# Altium PCB PCB1.PcbDoc
Units mil, origin at the board's own origin, x right, y up, seen from the top; angles counter-clockwise.
Board outline 3870 x 2895 mil, 2 copper layers (Top Layer, Bottom Layer); 177 components, 71 nets, 443 pads, 54 vias.
Unrouted connection lines stored in the file: 19.
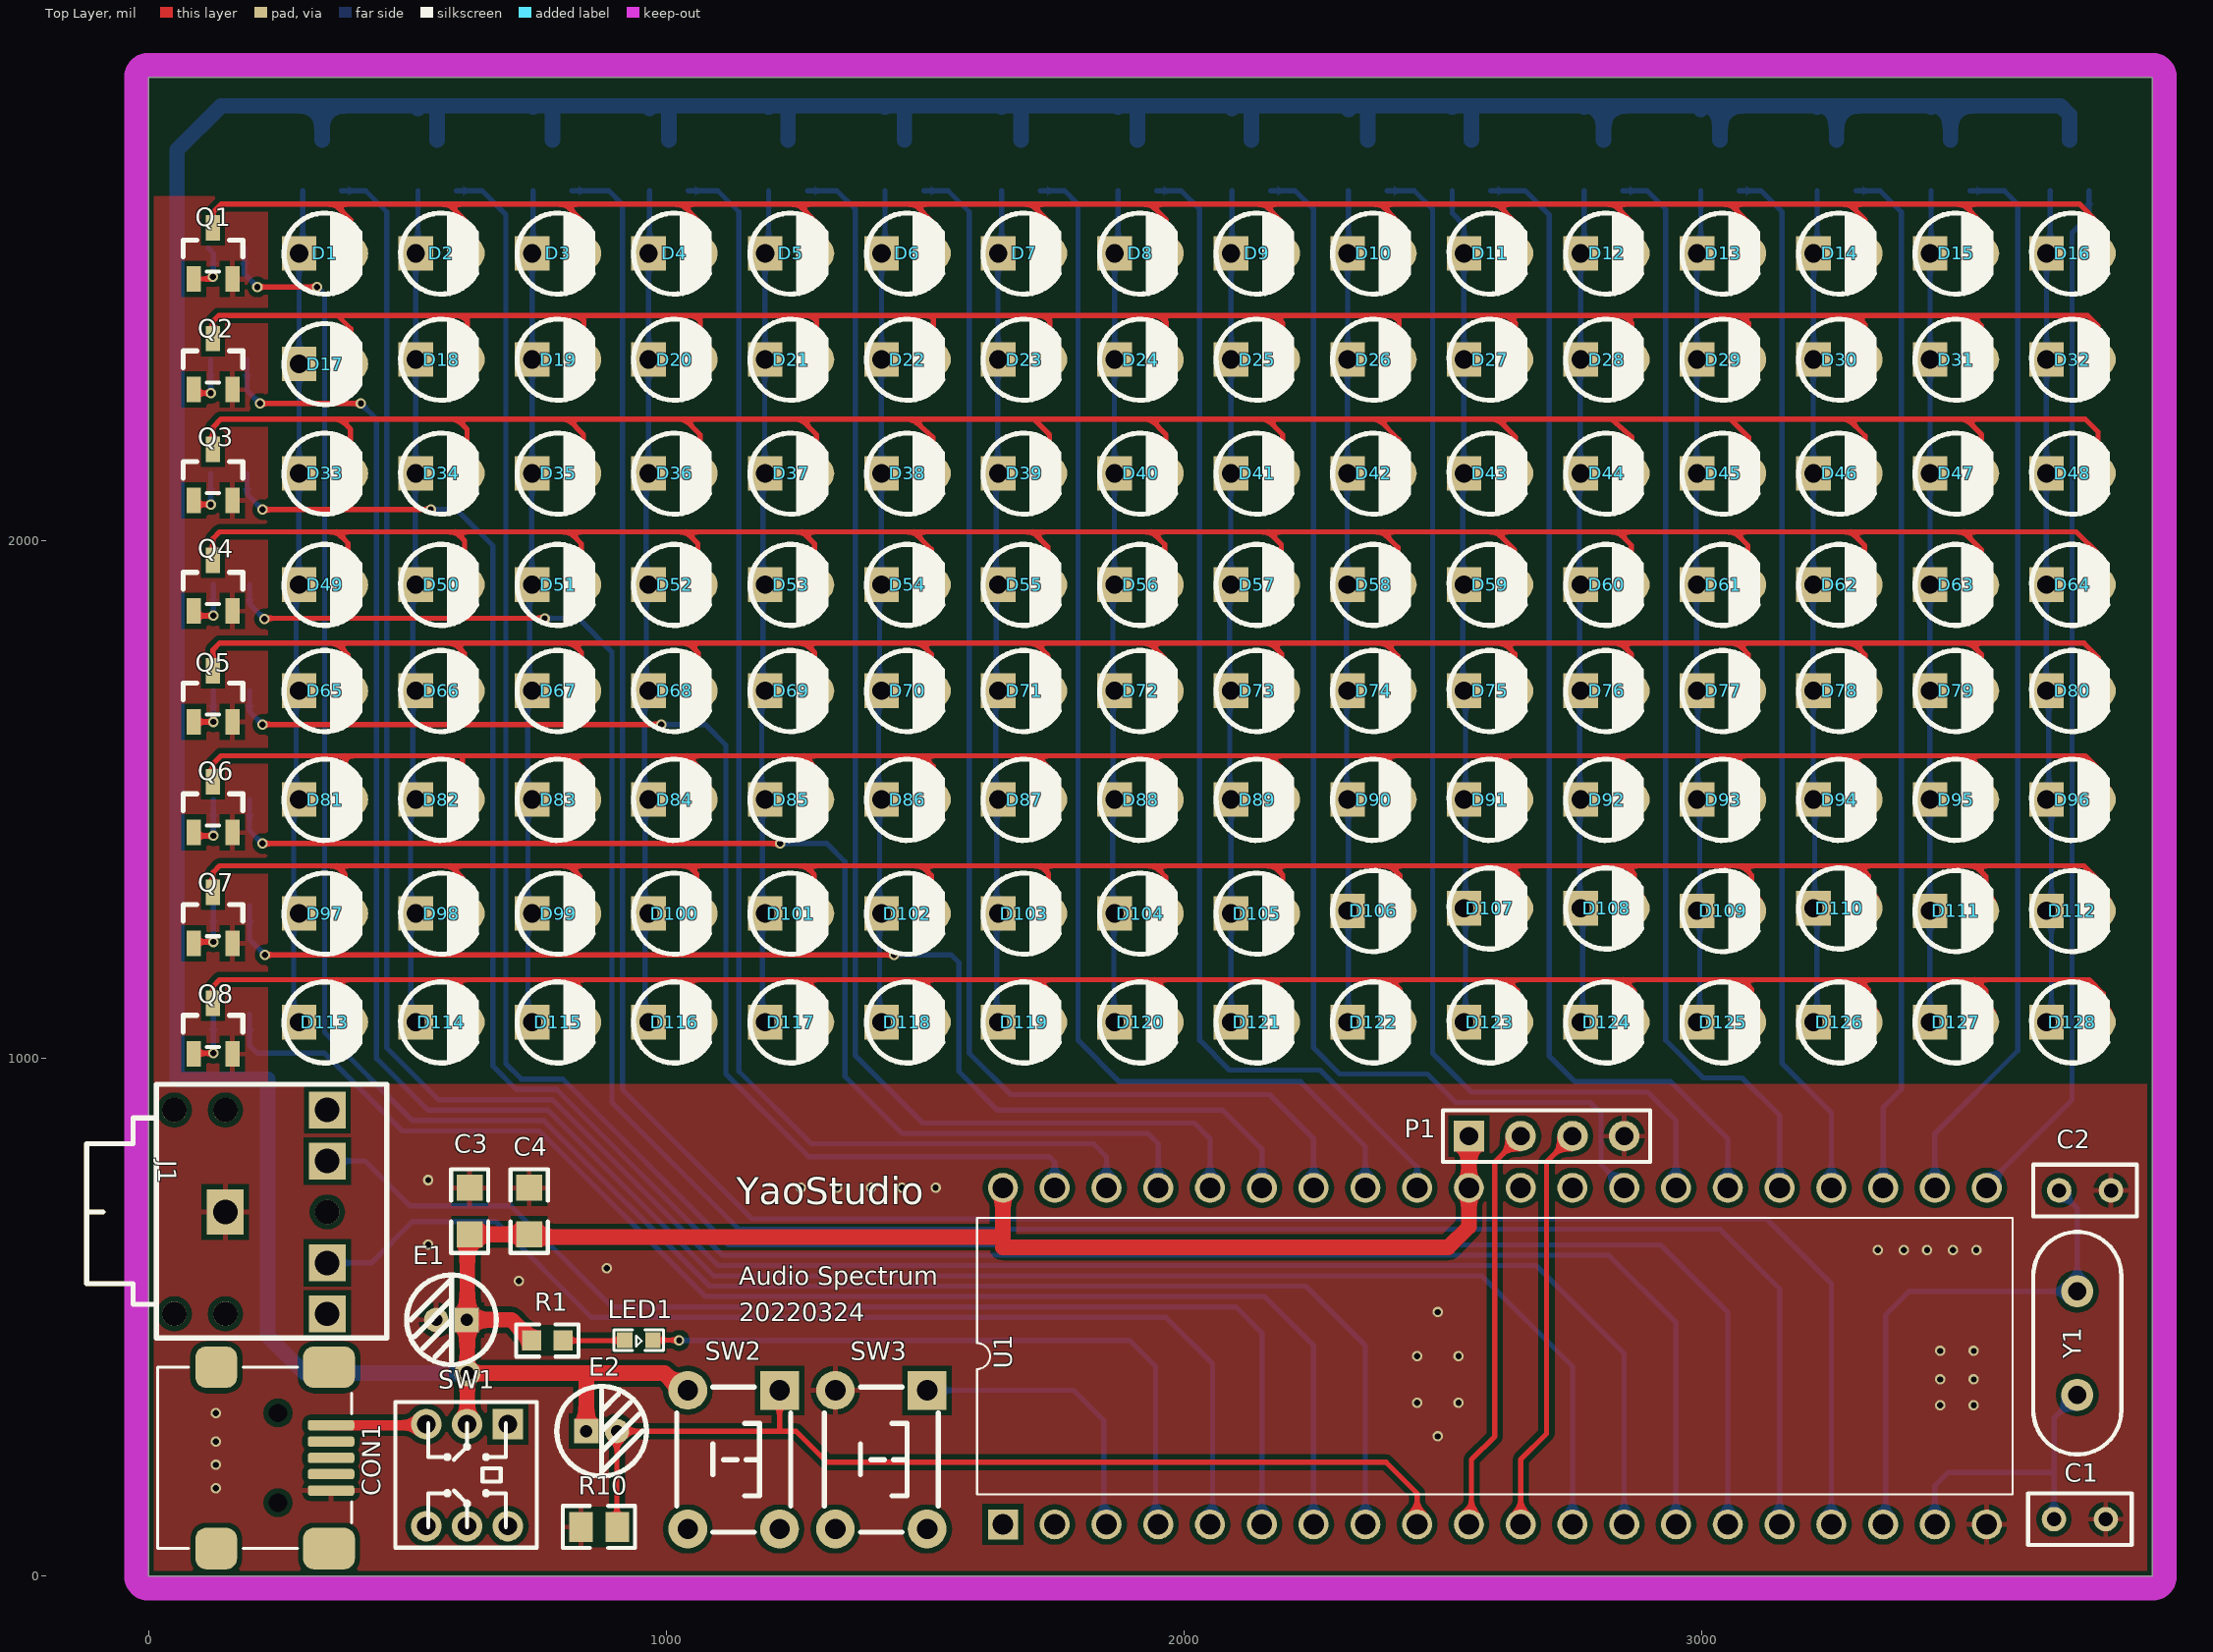
[diagram p0: Top Layer view]
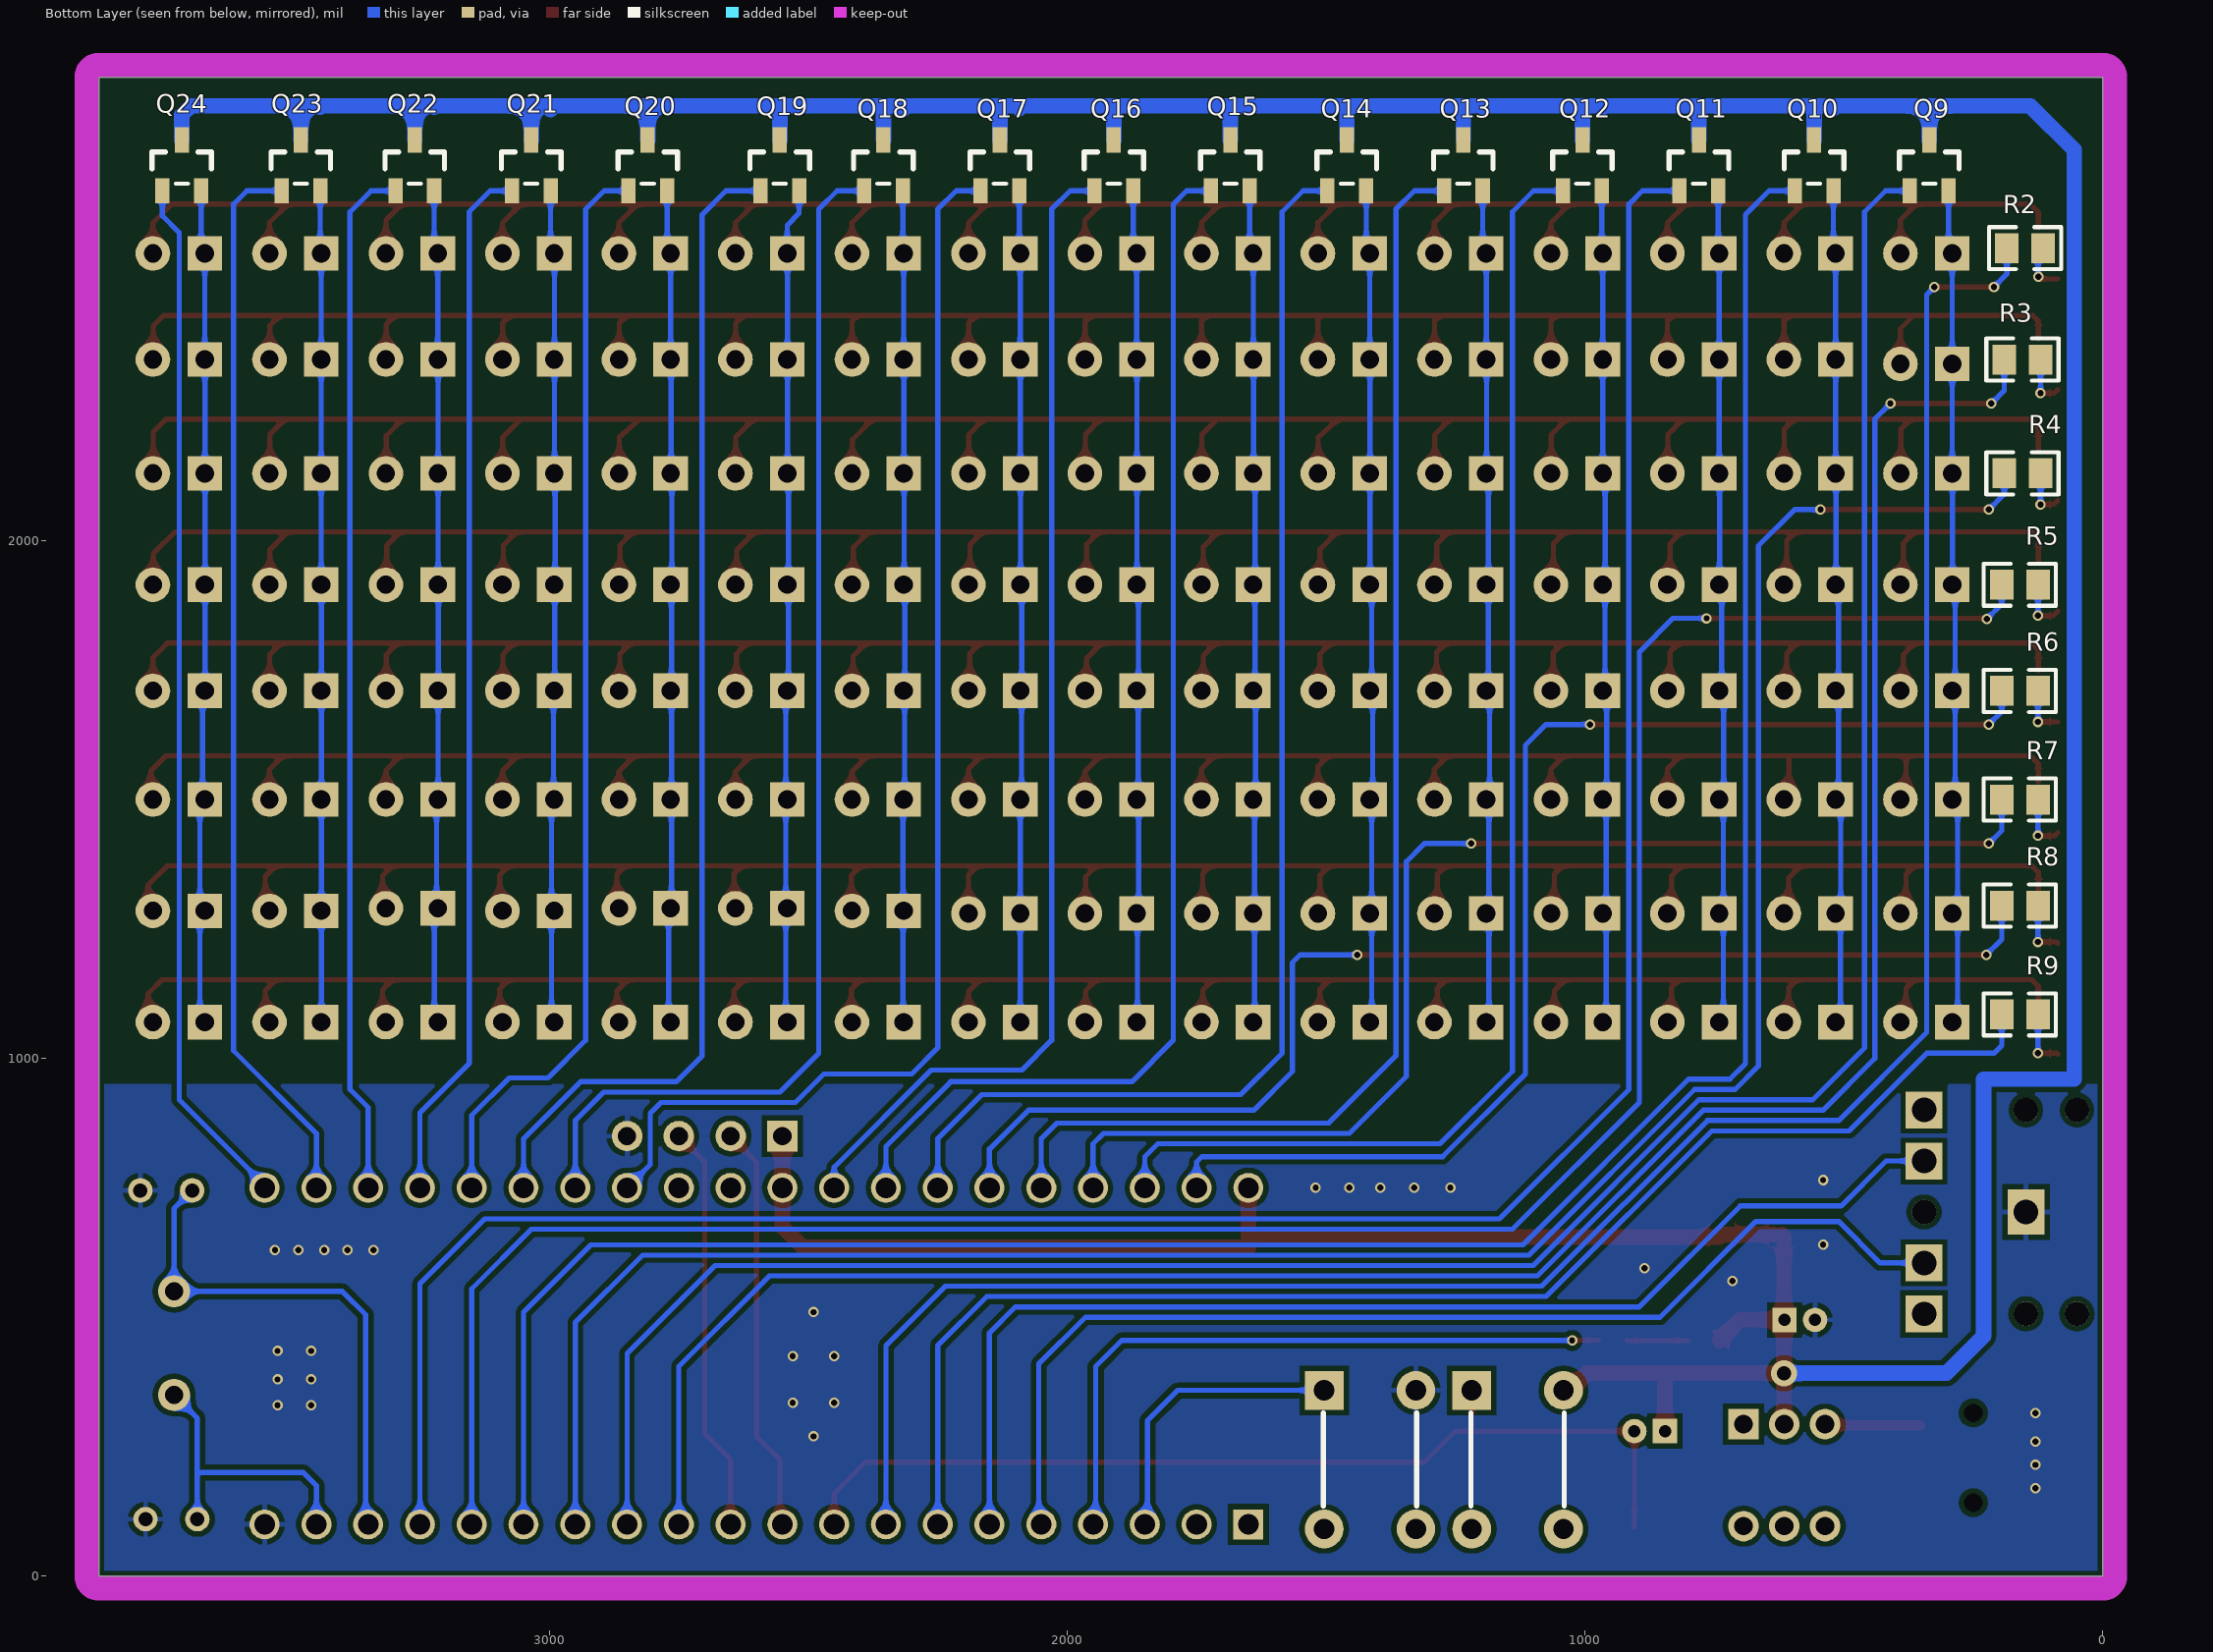
[diagram p1: Bottom Layer view, seen from below]
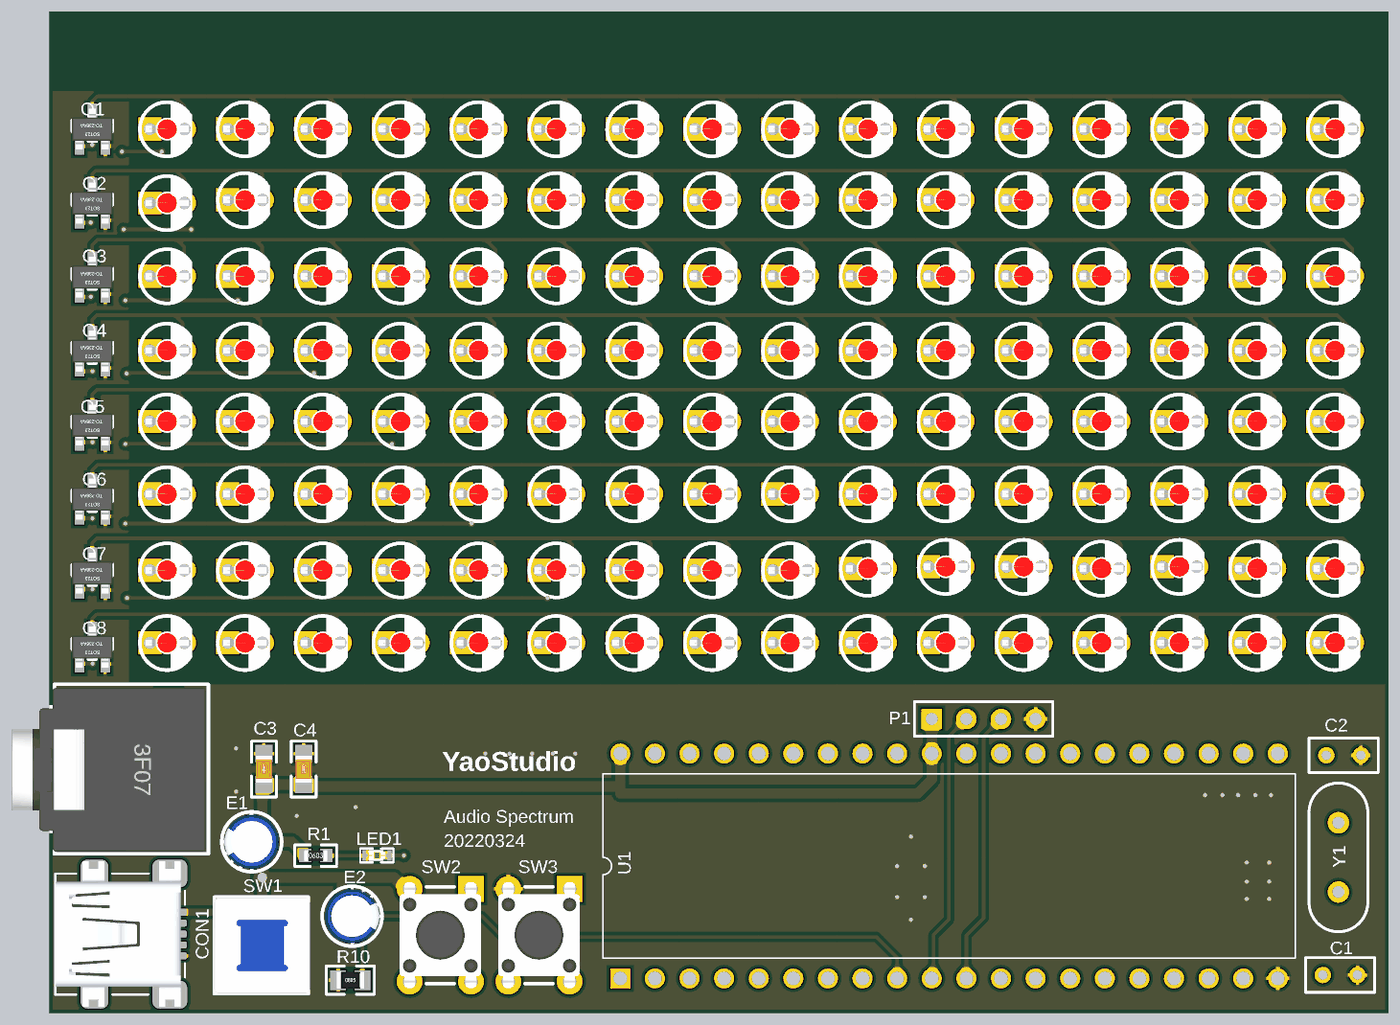
[diagram p2: 3D render of the assembled board from above, using the file's embedded part models]
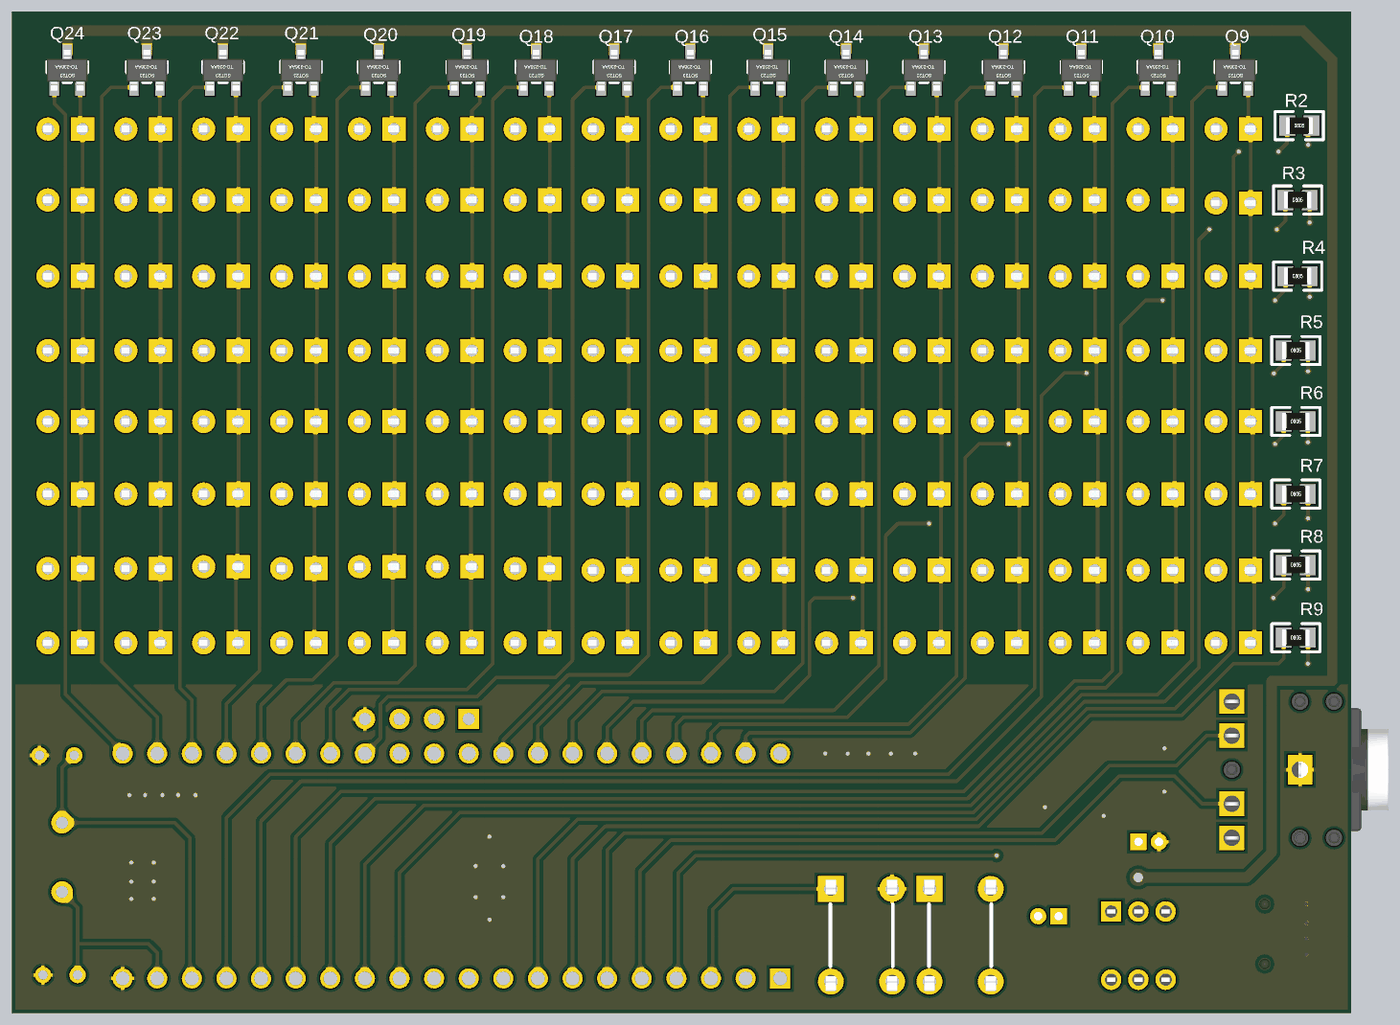
[diagram p3: 3D render of the assembled board from below, using the file's embedded part models]

## Layer stack, top to bottom
Top Solder: solder mask 0.4, Solder Resist, Dk 3.5
Top Layer: signal copper 1.4
Dielectric 1: dielectric 12.6, FR-4, Dk 4.8
Bottom Layer: signal copper 1.4
Bottom Solder: solder mask 0.4, Solder Resist, Dk 3.5

## Board outline
0,0 0,2895 3870,2895 3870,0

## Design rules (kind name [scope] priority, off if disabled: settings)
Clearance [All] p1: gap=10 ignorepadtopadclearanceinfootprint=FALSE except(0: Arc-Hole Track-Hole SMDPad-Hole THPad-Hole Via-Hole Fill-Hole Poly-Hole Region-Hole Text-Hole)
MinimumSolderMaskSliver [All] p1: minsoldermaskwidth=0
PolygonConnect [InNet('GND') vs IsVia] p1: connectstyle=Direct reliefconductorwidth=10 reliefentries=4 polygonreliefangle="90 Angle" airgapwidth=10
PolygonConnect PolygonConnect_1 [All] p2: connectstyle=Relief reliefconductorwidth=10 reliefentries=4 polygonreliefangle="90 Angle" airgapwidth=10
RoutingVias [All] p1: holewidth=28 width=50 viastyle="Through Hole" minholewidth=28 minwidth=50 maxholewidth=28 maxwidth=50
SilkToSilkClearance [All] p1: silktosilkclearance=0
SilkToSolderMaskClearance [IsPad] p1: minsilkscreentomaskgap=0 clearancetoexposedcopper=TRUE
SolderMaskExpansion [All] p1: expansion=4
Width GND [InNet('GND')] p1: maxlimit=10 minlimit=10 preferedwidth=10
Width VCC [InNet('VUSB')or InNet('VCC')] p2: maxlimit=100 minlimit=20 preferedwidth=30
Width [All] p3: maxlimit=10 minlimit=10 preferedwidth=10
27 further rules are at their usual default settings.

## Classes and differential pairs
component class Sheet3: D1 D2 D3 D4 D5 D6 D7 D8 D9 D10 D11 D12 D13 D14 D15 D16 D17 D18 D19 D20 D21 D22 D23 D24 D25 D26 D27 D28 D29 D30 D31 D32 D33 D34 D35 D36 D37 D38 D39 D40 D41 D42 D43 D44 D45 D46 D47 D48 D49 D50 D51 D52 D53 D54 D55 D56 D57 D58 D59 D60 D61 D62 D63 D64 D65 D66 D67 D68 D69 D70 D71 D72 D73 D74 D75 D76 D77 D78 D79 D80 D81 D82 D83 D84 D85 D86 D87 D88 D89 D90 D91 D92 D93 D94 D95 D96 D97 D98 D99 D100 D101 D102 D103 D104 D105 D106 D107 D108 D109 D110 D111 D112 D113 D114 D115 D116 D117 D118 D119 D120 D121 D122 D123 D124 D125 D126 D127 D128 Q1 Q2 Q3 Q4 Q5 Q6 Q7 Q8 Q9 Q10 Q11 Q12 Q13 Q14 Q15 Q16 Q17 Q18 Q19 Q20 Q21 Q22 Q23 Q24 R2 R3 R4 R5 R6 R7 R8 R9
component class Sheet2: C1 C2 C3 C4 CON1 E1 E2 J1 LED1 P1 R1 R10 SW1 SW2 SW3 U1 Y1

## Components (designator, comment, footprint, x,y, rotation, side; value= is the part's Value field where it differs from the comment)
C1 "Cap" RAD-0.1 3730,110 r0 top value=30pF
C2 "Cap" RAD-0.1 3740,745 r0 top value=30pF
C3 "104" "C 0805" 620,705 r270 top
C4 "104" "C 0805" 735,705 r270 top
CON1 "MiniUSB" USB_Mini-B 352.36,228.39 r90 top value="Type B"
D1 "LED0" "LED 3MM-R" 340.71,2555 r0 top
D2 "LED0" "LED 3MM-R" 565.71,2555 r0 top
D3 "LED0" "LED 3MM-R" 790.71,2555 r0 top
D4 "LED0" "LED 3MM-R" 1015.71,2555 r0 top
D5 "LED0" "LED 3MM-R" 1240.71,2555 r0 top
D6 "LED0" "LED 3MM-R" 1465.71,2555 r0 top
D7 "LED0" "LED 3MM-R" 1690.71,2555 r0 top
D8 "LED0" "LED 3MM-R" 1915.71,2555 r0 top
D9 "LED0" "LED 3MM-R" 2140.71,2555 r0 top
D10 "LED0" "LED 3MM-R" 2365.71,2555 r0 top
D11 "LED0" "LED 3MM-R" 2590.71,2555 r0 top
D12 "LED0" "LED 3MM-R" 2815.71,2555 r0 top
D13 "LED0" "LED 3MM-R" 3040.71,2555 r0 top
D14 "LED0" "LED 3MM-R" 3265.71,2555 r0 top
D15 "LED0" "LED 3MM-R" 3490.71,2555 r0 top
D16 "LED0" "LED 3MM-R" 3715.71,2555 r0 top
D17 "LED0" "LED 3MM-R" 340.71,2341.43 r0 top
D18 "LED0" "LED 3MM-R" 565.71,2350 r0 top
D19 "LED0" "LED 3MM-R" 790.71,2350 r0 top
D20 "LED0" "LED 3MM-R" 1015.71,2350 r0 top
D21 "LED0" "LED 3MM-R" 1240.71,2350 r0 top
D22 "LED0" "LED 3MM-R" 1465.71,2350 r0 top
D23 "LED0" "LED 3MM-R" 1690.71,2350 r0 top
D24 "LED0" "LED 3MM-R" 1915.71,2350 r0 top
D25 "LED0" "LED 3MM-R" 2140.71,2350 r0 top
D26 "LED0" "LED 3MM-R" 2365.71,2350 r0 top
D27 "LED0" "LED 3MM-R" 2590.71,2350 r0 top
D28 "LED0" "LED 3MM-R" 2815.71,2350 r0 top
D29 "LED0" "LED 3MM-R" 3040.71,2350 r0 top
D30 "LED0" "LED 3MM-R" 3265.71,2350 r0 top
D31 "LED0" "LED 3MM-R" 3490.71,2350 r0 top
D32 "LED0" "LED 3MM-R" 3715.71,2350 r0 top
D33 "LED0" "LED 3MM-R" 340.71,2130 r0 top
D34 "LED0" "LED 3MM-R" 565.71,2130 r0 top
D35 "LED0" "LED 3MM-R" 790.71,2130 r0 top
D36 "LED0" "LED 3MM-R" 1015.71,2130 r0 top
D37 "LED0" "LED 3MM-R" 1240.71,2130 r0 top
D38 "LED0" "LED 3MM-R" 1465.71,2130 r0 top
D39 "LED0" "LED 3MM-R" 1690.71,2130 r0 top
D40 "LED0" "LED 3MM-R" 1915.71,2130 r0 top
D41 "LED0" "LED 3MM-R" 2140.71,2130 r0 top
D42 "LED0" "LED 3MM-R" 2365.71,2130 r0 top
D43 "LED0" "LED 3MM-R" 2590.71,2130 r0 top
D44 "LED0" "LED 3MM-R" 2815.71,2130 r0 top
D45 "LED0" "LED 3MM-R" 3040.71,2130 r0 top
D46 "LED0" "LED 3MM-R" 3265.71,2130 r0 top
D47 "LED0" "LED 3MM-R" 3490.71,2130 r0 top
D48 "LED0" "LED 3MM-R" 3715.71,2130 r0 top
D49 "LED0" "LED 3MM-R" 340.71,1915 r0 top
D50 "LED0" "LED 3MM-R" 565.71,1915 r0 top
D51 "LED0" "LED 3MM-R" 790.71,1915 r0 top
D52 "LED0" "LED 3MM-R" 1015.71,1915 r0 top
D53 "LED0" "LED 3MM-R" 1240.71,1915 r0 top
D54 "LED0" "LED 3MM-R" 1465.71,1915 r0 top
D55 "LED0" "LED 3MM-R" 1690.71,1915 r0 top
D56 "LED0" "LED 3MM-R" 1915.71,1915 r0 top
D57 "LED0" "LED 3MM-R" 2140.71,1915 r0 top
D58 "LED0" "LED 3MM-R" 2365.71,1915 r0 top
D59 "LED0" "LED 3MM-R" 2590.71,1915 r0 top
D60 "LED0" "LED 3MM-R" 2815.71,1915 r0 top
D61 "LED0" "LED 3MM-R" 3040.71,1915 r0 top
D62 "LED0" "LED 3MM-R" 3265.71,1915 r0 top
D63 "LED0" "LED 3MM-R" 3490.71,1915 r0 top
D64 "LED0" "LED 3MM-R" 3715.71,1915 r0 top
D65 "LED0" "LED 3MM-R" 340.71,1710 r0 top
D66 "LED0" "LED 3MM-R" 565.71,1710 r0 top
D67 "LED0" "LED 3MM-R" 790.71,1710 r0 top
D68 "LED0" "LED 3MM-R" 1015.71,1710 r0 top
D69 "LED0" "LED 3MM-R" 1240.71,1710 r0 top
D70 "LED0" "LED 3MM-R" 1465.71,1710 r0 top
D71 "LED0" "LED 3MM-R" 1690.71,1710 r0 top
D72 "LED0" "LED 3MM-R" 1915.71,1710 r0 top
D73 "LED0" "LED 3MM-R" 2140.71,1710 r0 top
D74 "LED0" "LED 3MM-R" 2365.71,1710 r0 top
D75 "LED0" "LED 3MM-R" 2590.71,1710 r0 top
D76 "LED0" "LED 3MM-R" 2815.71,1710 r0 top
D77 "LED0" "LED 3MM-R" 3040.71,1710 r0 top
D78 "LED0" "LED 3MM-R" 3265.71,1710 r0 top
D79 "LED0" "LED 3MM-R" 3490.71,1710 r0 top
D80 "LED0" "LED 3MM-R" 3715.71,1710 r0 top
D81 "LED0" "LED 3MM-R" 340.71,1500 r0 top
D82 "LED0" "LED 3MM-R" 565.71,1500 r0 top
D83 "LED0" "LED 3MM-R" 790.71,1500 r0 top
D84 "LED0" "LED 3MM-R" 1015.71,1500 r0 top
D85 "LED0" "LED 3MM-R" 1240.71,1500 r0 top
D86 "LED0" "LED 3MM-R" 1465.71,1500 r0 top
D87 "LED0" "LED 3MM-R" 1690.71,1500 r0 top
D88 "LED0" "LED 3MM-R" 1915.71,1500 r0 top
D89 "LED0" "LED 3MM-R" 2140.71,1500 r0 top
D90 "LED0" "LED 3MM-R" 2365.71,1500 r0 top
D91 "LED0" "LED 3MM-R" 2590.71,1500 r0 top
D92 "LED0" "LED 3MM-R" 2815.71,1500 r0 top
D93 "LED0" "LED 3MM-R" 3040.71,1500 r0 top
D94 "LED0" "LED 3MM-R" 3265.71,1500 r0 top
D95 "LED0" "LED 3MM-R" 3490.71,1500 r0 top
D96 "LED0" "LED 3MM-R" 3715.71,1500 r0 top
D97 "LED0" "LED 3MM-R" 340.71,1280 r0 top
D98 "LED0" "LED 3MM-R" 565.71,1280 r0 top
D99 "LED0" "LED 3MM-R" 790.71,1280 r0 top
D100 "LED0" "LED 3MM-R" 1015.71,1280 r0 top
D101 "LED0" "LED 3MM-R" 1240.71,1280 r0 top
D102 "LED0" "LED 3MM-R" 1465.71,1280 r0 top
D103 "LED0" "LED 3MM-R" 1690.71,1280 r0 top
D104 "LED0" "LED 3MM-R" 1915.71,1280 r0 top
D105 "LED0" "LED 3MM-R" 2140.71,1280 r0 top
D106 "LED0" "LED 3MM-R" 2365.71,1285 r0 top
D107 "LED0" "LED 3MM-R" 2590.71,1290 r0 top
D108 "LED0" "LED 3MM-R" 2815.71,1290 r0 top
D109 "LED0" "LED 3MM-R" 3040.71,1285 r0 top
D110 "LED0" "LED 3MM-R" 3265.71,1290 r0 top
D111 "LED0" "LED 3MM-R" 3490.71,1285 r0 top
D112 "LED0" "LED 3MM-R" 3715.71,1285 r0 top
D113 "LED0" "LED 3MM-R" 340.71,1070 r0 top
D114 "LED0" "LED 3MM-R" 565.71,1070 r0 top
D115 "LED0" "LED 3MM-R" 790.71,1070 r0 top
D116 "LED0" "LED 3MM-R" 1015.71,1070 r0 top
D117 "LED0" "LED 3MM-R" 1240.71,1070 r0 top
D118 "LED0" "LED 3MM-R" 1465.71,1070 r0 top
D119 "LED0" "LED 3MM-R" 1690.71,1070 r0 top
D120 "LED0" "LED 3MM-R" 1915.71,1070 r0 top
D121 "LED0" "LED 3MM-R" 2140.71,1070 r0 top
D122 "LED0" "LED 3MM-R" 2365.71,1070 r0 top
D123 "LED0" "LED 3MM-R" 2590.71,1070 r0 top
D124 "LED0" "LED 3MM-R" 2815.71,1070 r0 top
D125 "LED0" "LED 3MM-R" 3040.71,1070 r0 top
D126 "LED0" "LED 3MM-R" 3265.71,1070 r0 top
D127 "LED0" "LED 3MM-R" 3490.71,1070 r0 top
D128 "LED0" "LED 3MM-R" 3715.71,1070 r0 top
E1 "10UF/16V" "CAP 1.5*4*8" 585,495 r180 top
E2 "10UF/16V" "CAP 1.5*4*8" 875,280 r0 top
J1 "3F07_BK" 3F07_BK 148.15,703.43 r90 top
LED1 "红色" "LED 0603R" 946.73,455.66 r0 top
P1 "Header 4" HDR1X4 2550,850 r0 top
Q1 "SS8050 Y1" SOT-23(SOT-23-3) 124.29,2555 r270 top
Q2 "SS8050 Y1" SOT-23(SOT-23-3) 124.29,2341.09 r270 top
Q3 "SS8050 Y1" SOT-23(SOT-23-3) 124.29,2127.17 r270 top
Q4 "SS8050 Y1" SOT-23(SOT-23-3) 124.29,1913.26 r270 top
Q5 "SS8050 Y1" SOT-23(SOT-23-3) 124.29,1699.34 r270 top
Q6 "SS8050 Y1" SOT-23(SOT-23-3) 124.29,1485.43 r270 top
Q7 "SS8050 Y1" SOT-23(SOT-23-3) 124.29,1271.51 r270 top
Q8 "SS8050 Y1" SOT-23(SOT-23-3) 124.29,1057.6 r270 top
Q9 "SS8050 Y1" SOT-23(SOT-23-3) 335,2725 r270 bottom
Q10 "SS8050 Y1" SOT-23(SOT-23-3) 557.44,2725 r270 bottom
Q11 "SS8050 Y1" SOT-23(SOT-23-3) 779.84,2725 r270 bottom
Q12 "SS8050 Y1" SOT-23(SOT-23-3) 1004.84,2725 r270 bottom
Q13 "SS8050 Y1" SOT-23(SOT-23-3) 1234.84,2725 r270 bottom
Q14 "SS8050 Y1" SOT-23(SOT-23-3) 1459.84,2725 r270 bottom
Q15 "SS8050 Y1" SOT-23(SOT-23-3) 1684.84,2725 r270 bottom
Q16 "SS8050 Y1" SOT-23(SOT-23-3) 1909.84,2725 r270 bottom
Q17 "SS8050 Y1" SOT-23(SOT-23-3) 2129.84,2725 r270 bottom
Q18 "SS8050 Y1" SOT-23(SOT-23-3) 2354.84,2725 r270 bottom
Q19 "SS8050 Y1" SOT-23(SOT-23-3) 2555,2725 r270 bottom
Q20 "SS8050 Y1" SOT-23(SOT-23-3) 2810,2725 r270 bottom
Q21 "SS8050 Y1" SOT-23(SOT-23-3) 3035,2725 r270 bottom
Q22 "SS8050 Y1" SOT-23(SOT-23-3) 3260,2725 r270 bottom
Q23 "SS8050 Y1" SOT-23(SOT-23-3) 3480,2725 r270 bottom
Q24 "SS8050 Y1" SOT-23(SOT-23-3) 3710,2725 r270 bottom
R1 "1KΩ (1001) ±1%" 0603_R 770,455 r0 top
R2 "0Ω (0R0) ±1%" 0805_R 150,2565 r180 bottom
R3 "0Ω (0R0) ±1%" 0805_R 155,2350 r180 bottom
R4 "0Ω (0R0) ±1%" 0805_R 155,2130 r180 bottom
R5 "0Ω (0R0) ±1%" 0805_R 159.96,1915 r180 bottom
R6 "0Ω (0R0) ±1%" 0805_R 160,1710 r180 bottom
R7 "0Ω (0R0) ±1%" 0805_R 159.96,1500 r180 bottom
R8 "0Ω (0R0) ±1%" 0805_R 159.96,1295 r180 bottom
R9 "0Ω (0R0) ±1%" 0805_R 159.96,1085 r180 bottom
R10 "10KΩ (1002) ±1%" 0805_R 870,95 r0 top
SW1 "KET 7X7" "KFT DIP-7X7" 615,195 r270 top
SW2 "SW-PB" "TSW DIP-6*6*5" 1130,225 r270 top
SW3 "SW-PB" "TSW DIP-6*6*5" 1415,225 r270 top
U1 "STC12C5A60S2" DIP40 1650,100 r90 top
Y1 "12MHz" XTAL_49H-0.2 3725,550 r90 top